# Altium PCB ife18_TS_BMS_LTC6813_v2.PcbDoc (part 1 of 3)
Units mm, origin at the board's own origin, x right, y up, seen from the top; angles counter-clockwise.
Board outline 384.85 x 63.15 mm, 4 copper layers (Top Copper, Signal Layer 1, Signal Layer 2, Bottom Copper), stack 1.57 mm thick; 242 components, 189 nets, 694 pads, 270 vias.
Unrouted connection lines stored in the file: 1.
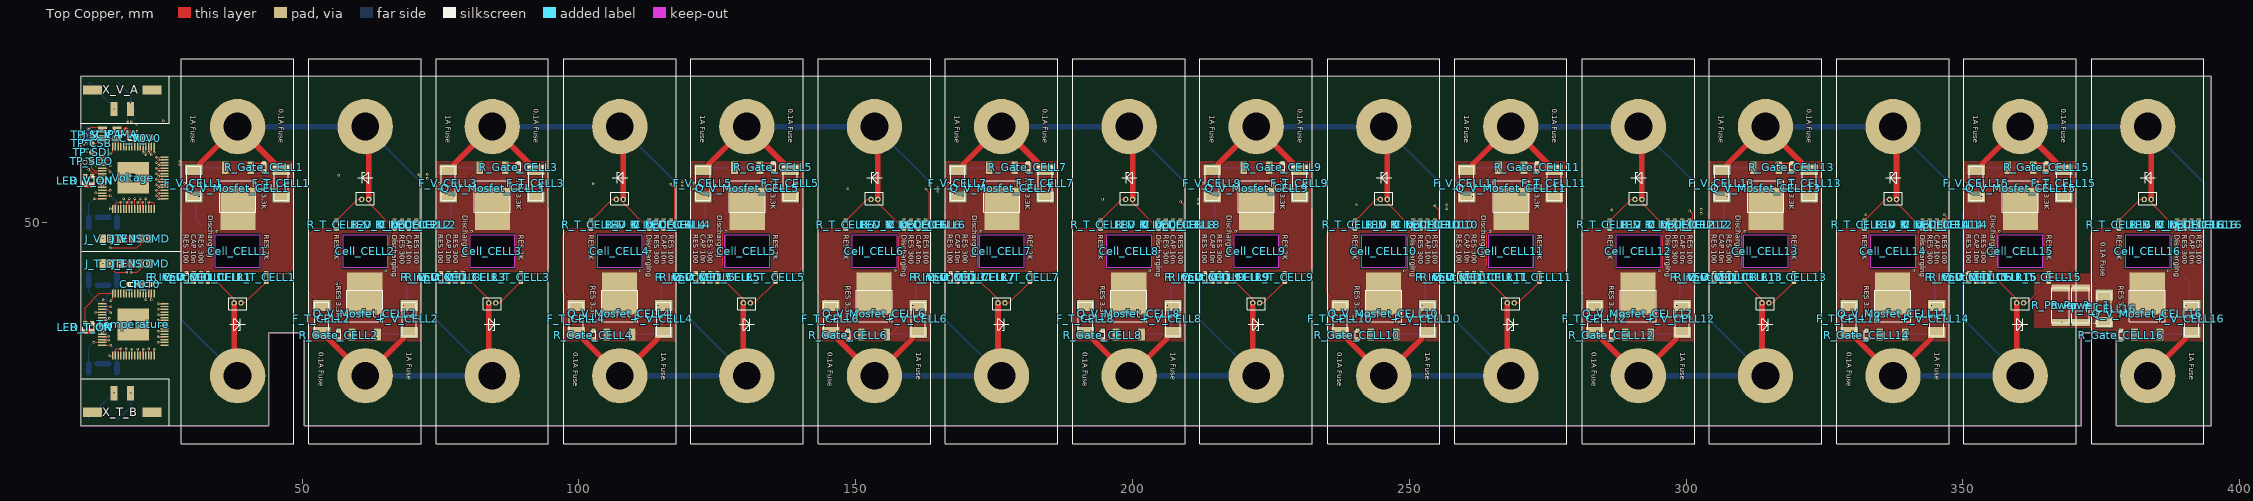
[diagram p0: Top Copper view]
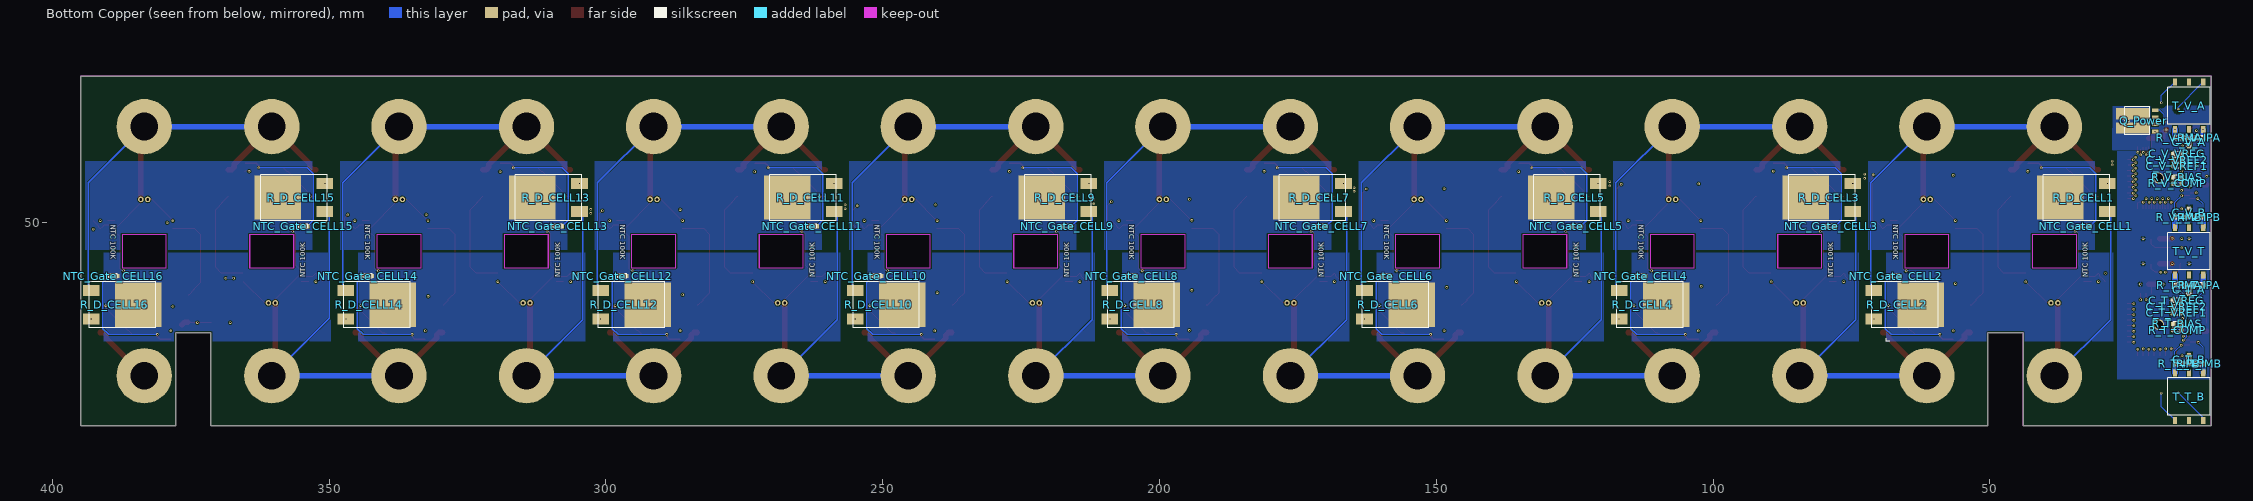
[diagram p1: Bottom Copper view, seen from below]
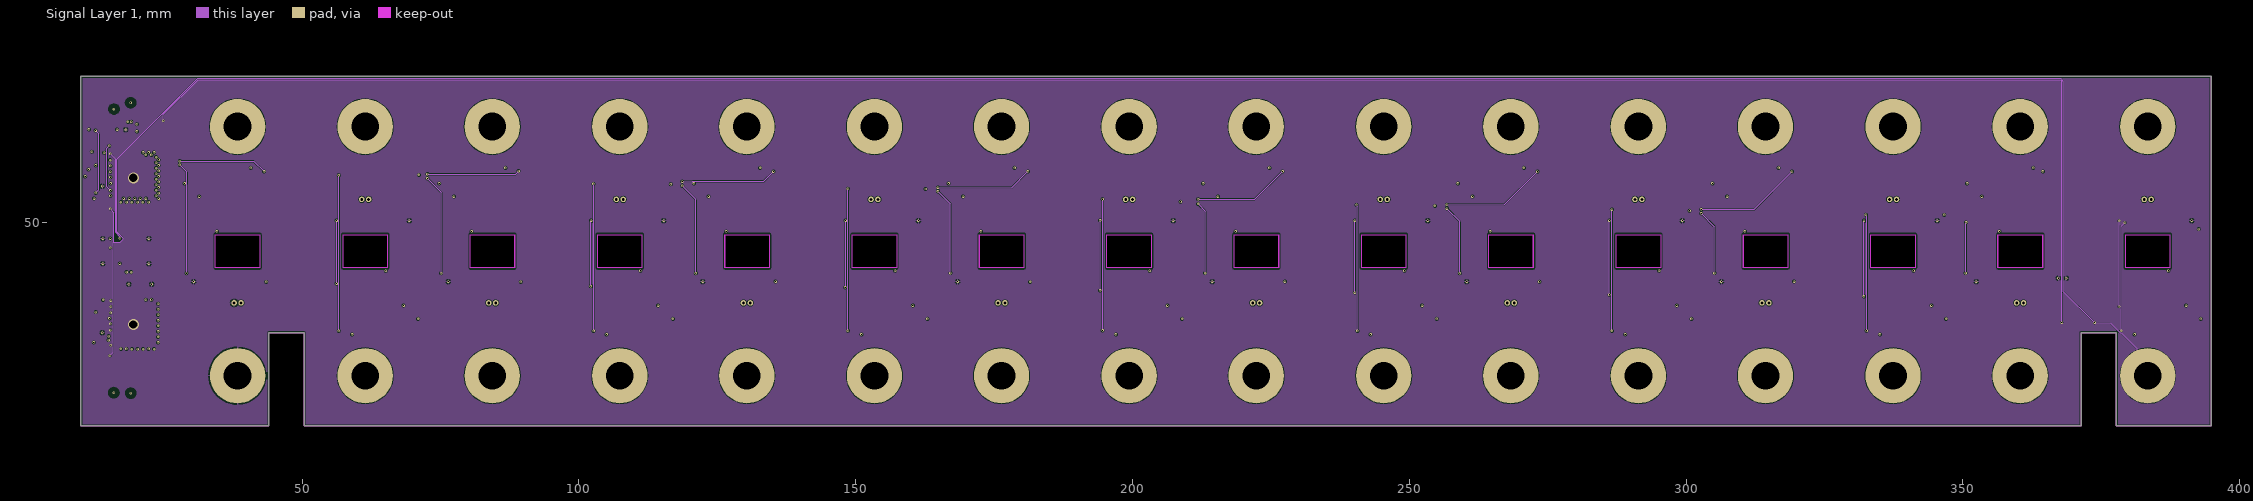
[diagram p2: Signal Layer 1]
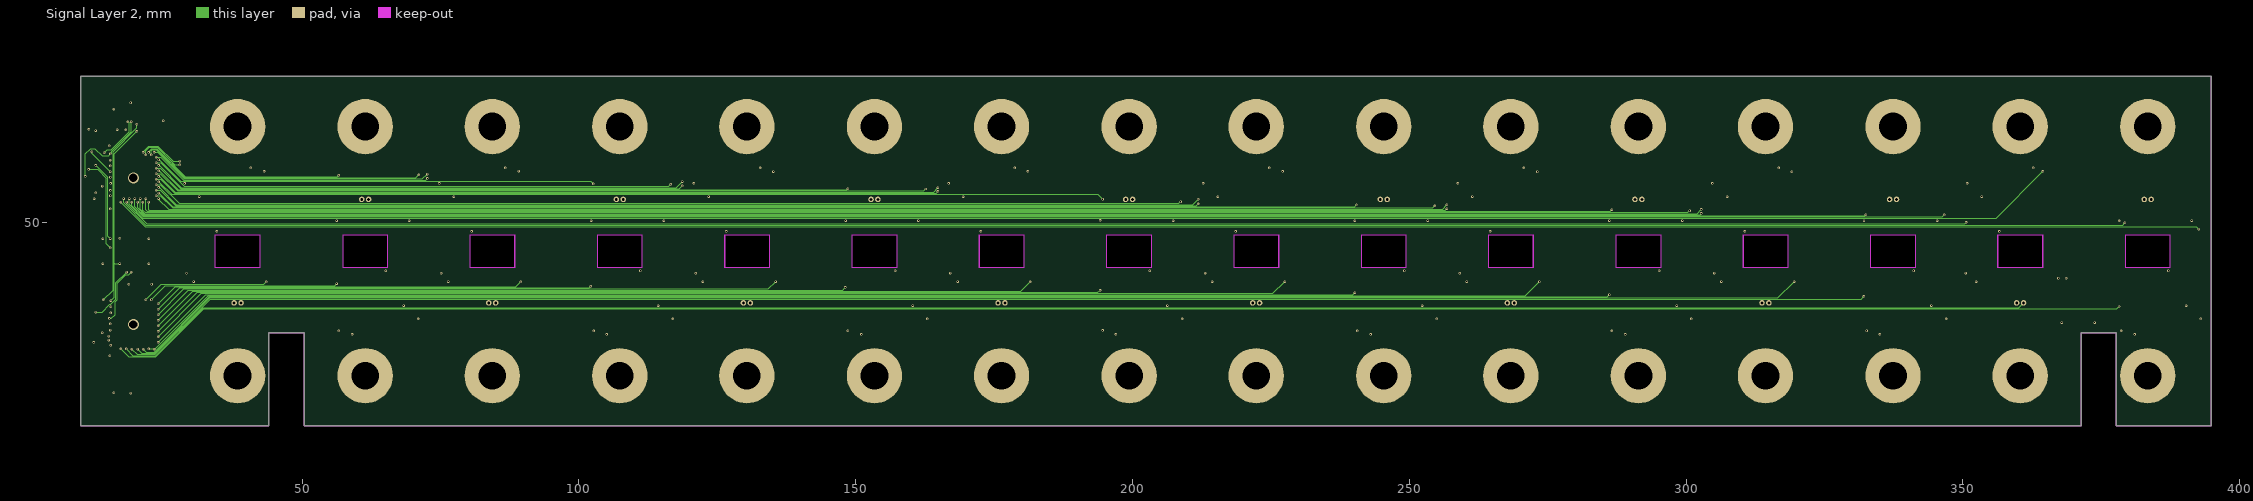
[diagram p3: Signal Layer 2]
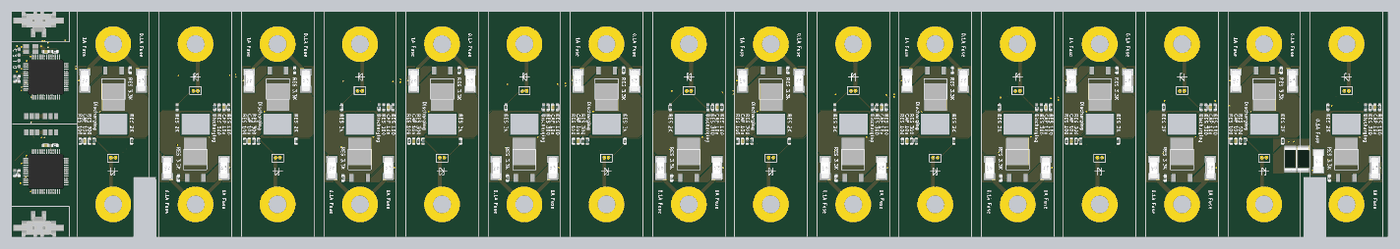
[diagram p6: 3D render of the assembled board from above, using the file's embedded part models]
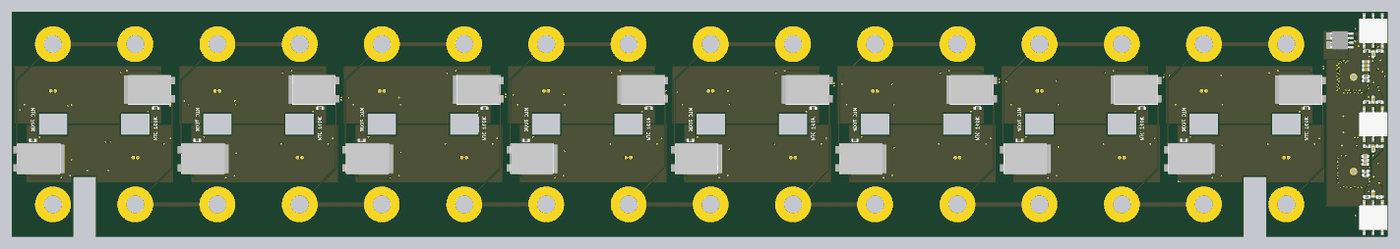
[diagram p7: 3D render of the assembled board from below, using the file's embedded part models]

## Layer stack, top to bottom
Top Mask: solder mask 0.015, Solder Resist, Dk 3.8
Top Copper: signal copper 0.035
Dielectric 1: prepreg 0.2, 7628, Dk 4.6
Signal Layer 1: signal copper 0.0175
Core: core 1.065, FR-4, Dk 4.5
Signal Layer 2: signal copper 0.0175
Dielectric 2: prepreg 0.2, 7628, Dk 4.6
Bottom Copper: signal copper 0.035
Bottom Mask: solder mask 0.015, Solder Resist, Dk 3.8

## Board outline
10,13.175 10,76.325 394.85,76.325 394.85,13.175 377.7,13.175 377.7,30 371.35,30 371.35,13.175 50.35,13.175 50.35,30 44,30 44,13.175

## Design rules (kind name [scope] priority, off if disabled: settings)
BoardOutlineClearance [All] p1: gap=0.25 ignorepadtopadclearanceinfootprint=FALSE
Clearance "Board Edge" [OnLayer('Keep-Out Layer')] p1: gap=0.25 ignorepadtopadclearanceinfootprint=TRUE
Clearance "ISO Clearance" [InNetClass('HV_ISO')] p2: gap=0.8 ignorepadtopadclearanceinfootprint=TRUE
Clearance "Internal Layers" [(OnLayer('Signal Layer 1') OR OnLayer('Signal Layer 2'))] p3: gap=0.102 ignorepadtopadclearanceinfootprint=TRUE
Clearance "External Layers" [(OnLayer('Bottom Copper') OR OnLayer('Top Copper'))] p4: gap=0.15 ignorepadtopadclearanceinfootprint=TRUE
ComponentClearance [All] p1: gap=0.254 collisioncheckmode=3 verticalgap=0 showdistances=FALSE
HoleSize [All] p1: absolutevalues=TRUE maxlimit=6.3 minlimit=0.2 maxpercent=80.000 minpercent=20.000
MinimumSolderMaskSliver [All] p1: minsoldermaskwidth=0.089
PolygonConnect "GND Plane" [HasFootprint('LQFP64_LWE_A')] p1: connectstyle=Direct reliefconductorwidth=0.254 reliefentries=4 polygonreliefangle="90 Angle" airgapwidth=0.254
PolygonConnect "Power BJT" [InNet('NetQ_Power_C')] p2: connectstyle=Direct reliefconductorwidth=0.254 reliefentries=4 polygonreliefangle="90 Angle" airgapwidth=0.254
PolygonConnect "Power Resistor" [HasFootprint('RES-2512')] p3: connectstyle=Direct reliefconductorwidth=0.254 reliefentries=4 polygonreliefangle="90 Angle" airgapwidth=0.254
PolygonConnect "Discharge Mosfet" [HasFootprint('TO252')] p4: connectstyle=Direct reliefconductorwidth=0.254 reliefentries=4 polygonreliefangle="90 Angle" airgapwidth=0.254
PolygonConnect "Discharge NTC" [HasFootprint('NTC-0603')] p5: connectstyle=Direct reliefconductorwidth=0.254 reliefentries=4 polygonreliefangle="90 Angle" airgapwidth=0.254
PolygonConnect "Discharge Resistor" [HasFootprint('TO252-TKH-45')] p6: connectstyle=Direct reliefconductorwidth=0.254 reliefentries=4 polygonreliefangle="90 Angle" airgapwidth=0.254
PolygonConnect [All] p7: connectstyle=Relief reliefconductorwidth=0.254 reliefentries=4 polygonreliefangle="90 Angle" airgapwidth=0.254
RoomDefinition Even [InComponentClass('Even')] p1: confinementstyle=ConfineIn formatcopy=TRUE lockcomponents=FALSE outline 394.85,9.5 394.85,80 9.5,80 9.5,9.5
RoomDefinition CELL16 [InComponentClass('CELL16')] p2: confinementstyle=ConfineIn formatcopy=TRUE lockcomponents=FALSE outline 394.85,80 371.85,80 371.85,9.5 394.85,9.5
RoomDefinition CELL15 [InComponentClass('CELL15')] p3: confinementstyle=ConfineIn formatcopy=TRUE lockcomponents=FALSE outline 348.85,9.5 371.85,9.5 371.85,80 348.85,80
RoomDefinition CELL14 [InComponentClass('CELL14')] p4: confinementstyle=ConfineIn formatcopy=TRUE lockcomponents=FALSE outline 348.85,80 325.85,80 325.85,9.5 348.85,9.5
RoomDefinition CELL13 [InComponentClass('CELL13')] p5: confinementstyle=ConfineIn formatcopy=TRUE lockcomponents=FALSE outline 302.85,9.5 325.85,9.5 325.85,80 302.85,80
RoomDefinition CELL12 [InComponentClass('CELL12')] p6: confinementstyle=ConfineIn formatcopy=TRUE lockcomponents=FALSE outline 302.85,80 279.85,80 279.85,9.5 302.85,9.5
RoomDefinition CELL11 [InComponentClass('CELL11')] p7: confinementstyle=ConfineIn formatcopy=TRUE lockcomponents=FALSE outline 256.85,9.5 279.85,9.5 279.85,80 256.85,80
RoomDefinition CELL10 [InComponentClass('CELL10')] p8: confinementstyle=ConfineIn formatcopy=TRUE lockcomponents=FALSE outline 256.85,80 233.85,80 233.85,9.5 256.85,9.5
RoomDefinition CELL9 [InComponentClass('CELL9')] p9: confinementstyle=ConfineIn formatcopy=TRUE lockcomponents=FALSE outline 210.85,9.5 233.85,9.5 233.85,80 210.85,80
RoomDefinition CELL8 [InComponentClass('CELL8')] p10: confinementstyle=ConfineIn formatcopy=TRUE lockcomponents=FALSE outline 210.85,80 187.85,80 187.85,9.5 210.85,9.5
RoomDefinition CELL7 [InComponentClass('CELL7')] p11: confinementstyle=ConfineIn formatcopy=TRUE lockcomponents=FALSE outline 164.85,9.5 187.85,9.5 187.85,80 164.85,80
RoomDefinition CELL6 [InComponentClass('CELL6')] p12: confinementstyle=ConfineIn formatcopy=TRUE lockcomponents=FALSE outline 164.85,80 141.85,80 141.85,9.5 164.85,9.5
RoomDefinition CELL5 [InComponentClass('CELL5')] p13: confinementstyle=ConfineIn formatcopy=TRUE lockcomponents=FALSE outline 118.85,9.5 141.85,9.5 141.85,80 118.85,80
RoomDefinition CELL4 [InComponentClass('CELL4')] p14: confinementstyle=ConfineIn formatcopy=TRUE lockcomponents=FALSE outline 118.85,80 95.85,80 95.85,9.5 118.85,9.5
RoomDefinition CELL3 [InComponentClass('CELL3')] p15: confinementstyle=ConfineIn formatcopy=TRUE lockcomponents=FALSE outline 72.85,9.5 95.85,9.5 95.85,80 72.85,80
RoomDefinition CELL2 [InComponentClass('CELL2')] p16: confinementstyle=ConfineIn formatcopy=TRUE lockcomponents=FALSE outline 72.85,80 49.85,80 49.85,9.5 72.85,9.5
RoomDefinition CELL1 [InComponentClass('CELL1')] p17: confinementstyle=ConfineIn formatcopy=TRUE lockcomponents=FALSE outline 26.85,9.5 49.85,9.5 49.85,80 26.85,80
RoutingVias [All] p1: holewidth=0.2 width=0.45 viastyle="Through Hole" minholewidth=0.2 minwidth=0.45 maxholewidth=6.3 maxwidth=10
SilkToSilkClearance [All] p1: silktosilkclearance=0
SilkToSolderMaskClearance [IsPad] p1: minsilkscreentomaskgap=0 clearancetoexposedcopper=TRUE
SolderMaskExpansion [All] p1: expansion=0.025
Width [All] p1: maxlimit=1.016 minlimit=0.102 preferedwidth=0.102
25 further rules are at their usual default settings.

## Classes and differential pairs
net class HV_ISO: T_IMB_ISO T_IPB_ISO V_IMA_ISO V_IPA_ISO
component class Even: C_T0 C_T_A C_T_B C_T_VREF1 C_T_VREF2 C_T_VREG C_V0 C_V_A C_V_B C_V_VREF1 C_V_VREF2 C_V_VREG J_T_DTEN J_T_ISOMD J_V_DTEN J_V_IMA J_V_IPA J_V_ISOMD LED_T_ON LED_V_ON Q_Power R_Power_1 R_Power_? R_T0 R_T_BIAS R_T_COMP R_T_IMA R_T_IMB R_T_IPA R_T_IPB R_T_ON R_V0 R_V_BIAS R_V_COMP R_V_IMA R_V_IMB R_V_IPA R_V_IPB R_V_ON T_T_B T_V_A T_V_T Temperature TP_CSB TP_SCK TP_SDI TP_SDO Voltage X_T_B X_V_A
channel class Cell: CELL1 CELL2 CELL3 CELL4 CELL5 CELL6 CELL7 CELL8 CELL9 CELL10 CELL11 CELL12 CELL13 CELL14 CELL15 CELL16
net class V[1..16]: V1 V2 V3 V4 V5 V6 V7 V8 V9 V10 V11 V12 V13 V14 V15 V16
net class T[1..16]: T1 T2 T3 T4 T5 T6 T7 T8 T9 T10 T11 T12 T13 T14 T15 T16
net class S[1..16]: S1 S2 S3 S4 S5 S6 S7 S8 S9 S10 S11 S12 S13 S14 S15 S16
net class NEG[1..16]: NEG1 NEG2 NEG3 NEG4 NEG5 NEG6 NEG7 NEG8 NEG9 NEG10 NEG11 NEG12 NEG13 NEG14 NEG15 NEG16
component class CELL16: C_V_CELL16 Cell_CELL16 F_T_CELL16 F_V_CELL16 LED_V_D_CELL16 NTC_Gate_CELL16 Q_V_Mosfet_CELL16 R_D_CELL16 R_Gate_CELL16 R_Input_CELL16 R_T_CELL16 R_V_D_LED_CELL16
component class CELL15: C_V_CELL15 Cell_CELL15 F_T_CELL15 F_V_CELL15 LED_V_D_CELL15 NTC_Gate_CELL15 Q_V_Mosfet_CELL15 R_D_CELL15 R_Gate_CELL15 R_Input_CELL15 R_T_CELL15 R_V_D_LED_CELL15
component class CELL14: C_V_CELL14 Cell_CELL14 F_T_CELL14 F_V_CELL14 LED_V_D_CELL14 NTC_Gate_CELL14 Q_V_Mosfet_CELL14 R_D_CELL14 R_Gate_CELL14 R_Input_CELL14 R_T_CELL14 R_V_D_LED_CELL14
component class CELL13: C_V_CELL13 Cell_CELL13 F_T_CELL13 F_V_CELL13 LED_V_D_CELL13 NTC_Gate_CELL13 Q_V_Mosfet_CELL13 R_D_CELL13 R_Gate_CELL13 R_Input_CELL13 R_T_CELL13 R_V_D_LED_CELL13
component class CELL12: C_V_CELL12 Cell_CELL12 F_T_CELL12 F_V_CELL12 LED_V_D_CELL12 NTC_Gate_CELL12 Q_V_Mosfet_CELL12 R_D_CELL12 R_Gate_CELL12 R_Input_CELL12 R_T_CELL12 R_V_D_LED_CELL12
component class CELL11: C_V_CELL11 Cell_CELL11 F_T_CELL11 F_V_CELL11 LED_V_D_CELL11 NTC_Gate_CELL11 Q_V_Mosfet_CELL11 R_D_CELL11 R_Gate_CELL11 R_Input_CELL11 R_T_CELL11 R_V_D_LED_CELL11
component class CELL10: C_V_CELL10 Cell_CELL10 F_T_CELL10 F_V_CELL10 LED_V_D_CELL10 NTC_Gate_CELL10 Q_V_Mosfet_CELL10 R_D_CELL10 R_Gate_CELL10 R_Input_CELL10 R_T_CELL10 R_V_D_LED_CELL10
component class CELL9: C_V_CELL9 Cell_CELL9 F_T_CELL9 F_V_CELL9 LED_V_D_CELL9 NTC_Gate_CELL9 Q_V_Mosfet_CELL9 R_D_CELL9 R_Gate_CELL9 R_Input_CELL9 R_T_CELL9 R_V_D_LED_CELL9
component class CELL8: C_V_CELL8 Cell_CELL8 F_T_CELL8 F_V_CELL8 LED_V_D_CELL8 NTC_Gate_CELL8 Q_V_Mosfet_CELL8 R_D_CELL8 R_Gate_CELL8 R_Input_CELL8 R_T_CELL8 R_V_D_LED_CELL8
component class CELL7: C_V_CELL7 Cell_CELL7 F_T_CELL7 F_V_CELL7 LED_V_D_CELL7 NTC_Gate_CELL7 Q_V_Mosfet_CELL7 R_D_CELL7 R_Gate_CELL7 R_Input_CELL7 R_T_CELL7 R_V_D_LED_CELL7
component class CELL6: C_V_CELL6 Cell_CELL6 F_T_CELL6 F_V_CELL6 LED_V_D_CELL6 NTC_Gate_CELL6 Q_V_Mosfet_CELL6 R_D_CELL6 R_Gate_CELL6 R_Input_CELL6 R_T_CELL6 R_V_D_LED_CELL6
component class CELL5: C_V_CELL5 Cell_CELL5 F_T_CELL5 F_V_CELL5 LED_V_D_CELL5 NTC_Gate_CELL5 Q_V_Mosfet_CELL5 R_D_CELL5 R_Gate_CELL5 R_Input_CELL5 R_T_CELL5 R_V_D_LED_CELL5
component class CELL4: C_V_CELL4 Cell_CELL4 F_T_CELL4 F_V_CELL4 LED_V_D_CELL4 NTC_Gate_CELL4 Q_V_Mosfet_CELL4 R_D_CELL4 R_Gate_CELL4 R_Input_CELL4 R_T_CELL4 R_V_D_LED_CELL4
component class CELL3: C_V_CELL3 Cell_CELL3 F_T_CELL3 F_V_CELL3 LED_V_D_CELL3 NTC_Gate_CELL3 Q_V_Mosfet_CELL3 R_D_CELL3 R_Gate_CELL3 R_Input_CELL3 R_T_CELL3 R_V_D_LED_CELL3
component class CELL2: C_V_CELL2 Cell_CELL2 F_T_CELL2 F_V_CELL2 LED_V_D_CELL2 NTC_Gate_CELL2 Q_V_Mosfet_CELL2 R_D_CELL2 R_Gate_CELL2 R_Input_CELL2 R_T_CELL2 R_V_D_LED_CELL2
component class CELL1: C_V_CELL1 Cell_CELL1 F_T_CELL1 F_V_CELL1 LED_V_D_CELL1 NTC_Gate_CELL1 Q_V_Mosfet_CELL1 R_D_CELL1 R_Gate_CELL1 R_Input_CELL1 R_T_CELL1 R_V_D_LED_CELL1

## Components (designator, comment, footprint, x,y, rotation, side; value= is the part's Value field where it differs from the comment)
C_T0 "CAP 10n" CAP-0603 19.45,38.775 r0 top
C_T_A "CAP 10n" CAP-0603 14,37.8 r90 bottom
C_T_B "CAP 10n" CAP-0603 14,25.175 r270 bottom
C_T_VREF1 "CAP 1u" CAP-0603 16.2,33.6 r180 bottom
C_T_VREF2 "CAP 1u" CAP-0603 16.2,34.7 r180 bottom
C_T_VREG "CAP 1u" CAP-0603 16.2,35.8 r180 bottom
C_V0 "CAP 10n" CAP-0603 19.5,65.175 r0 top
C_V_A "CAP 10n" CAP-0603 14,64.425 r90 bottom
C_V_B "CAP 10n" CAP-0603 14,51.7 r270 bottom
C_V_CELL1 "CAP 10n" CAP-0603 30.4,40 r90 top (schematic designator C_V)
C_V_CELL2 "CAP 10n" CAP-0603 69.3,49.5 r270 top (schematic designator C_V)
C_V_CELL3 "CAP 10n" CAP-0603 76.4,40 r90 top (schematic designator C_V)
C_V_CELL4 "CAP 10n" CAP-0603 115.3,49.5 r270 top (schematic designator C_V)
C_V_CELL5 "CAP 10n" CAP-0603 122.4,40 r90 top (schematic designator C_V)
C_V_CELL6 "CAP 10n" CAP-0603 161.3,49.5 r270 top (schematic designator C_V)
C_V_CELL7 "CAP 10n" CAP-0603 168.4,40 r90 top (schematic designator C_V)
C_V_CELL8 "CAP 10n" CAP-0603 207.3,49.5 r270 top (schematic designator C_V)
C_V_CELL9 "CAP 10n" CAP-0603 214.4,40 r90 top (schematic designator C_V)
C_V_CELL10 "CAP 10n" CAP-0603 253.3,49.5 r270 top (schematic designator C_V)
C_V_CELL11 "CAP 10n" CAP-0603 260.4,40 r90 top (schematic designator C_V)
C_V_CELL12 "CAP 10n" CAP-0603 299.3,49.5 r270 top (schematic designator C_V)
C_V_CELL13 "CAP 10n" CAP-0603 306.4,40 r90 top (schematic designator C_V)
C_V_CELL14 "CAP 10n" CAP-0603 345.3,49.5 r270 top (schematic designator C_V)
C_V_CELL15 "CAP 10n" CAP-0603 352.4,40 r90 top (schematic designator C_V)
C_V_CELL16 "CAP 10n" CAP-0603 391.3,49.5 r270 top (schematic designator C_V)
C_V_VREF1 "CAP 1u" CAP-0603 16.1,60.1 r180 bottom
C_V_VREF2 "CAP 1u" CAP-0603 16.1,61.2 r180 bottom
C_V_VREG "CAP 1u" CAP-0603 16.1,62.3 r180 bottom
Cell_CELL1 "Li1x7pVTC6T" Li1x7pVTC6T 28.175,10 r0 top (schematic designator Cell)
Cell_CELL2 "Li1x7pVTC6T" Li1x7pVTC6T 71.525,79.5 r180 top (schematic designator Cell)
Cell_CELL3 "Li1x7pVTC6T" Li1x7pVTC6T 74.175,10 r0 top (schematic designator Cell)
Cell_CELL4 "Li1x7pVTC6T" Li1x7pVTC6T 117.525,79.5 r180 top (schematic designator Cell)
Cell_CELL5 "Li1x7pVTC6T" Li1x7pVTC6T 120.175,10 r0 top (schematic designator Cell)
Cell_CELL6 "Li1x7pVTC6T" Li1x7pVTC6T 163.525,79.5 r180 top (schematic designator Cell)
Cell_CELL7 "Li1x7pVTC6T" Li1x7pVTC6T 166.175,10 r0 top (schematic designator Cell)
Cell_CELL8 "Li1x7pVTC6T" Li1x7pVTC6T 209.525,79.5 r180 top (schematic designator Cell)
Cell_CELL9 "Li1x7pVTC6T" Li1x7pVTC6T 212.175,10 r0 top (schematic designator Cell)
Cell_CELL10 "Li1x7pVTC6T" Li1x7pVTC6T 255.525,79.5 r180 top (schematic designator Cell)
Cell_CELL11 "Li1x7pVTC6T" Li1x7pVTC6T 258.175,10 r0 top (schematic designator Cell)
Cell_CELL12 "Li1x7pVTC6T" Li1x7pVTC6T 301.525,79.5 r180 top (schematic designator Cell)
Cell_CELL13 "Li1x7pVTC6T" Li1x7pVTC6T 304.175,10 r0 top (schematic designator Cell)
Cell_CELL14 "Li1x7pVTC6T" Li1x7pVTC6T 347.525,79.5 r180 top (schematic designator Cell)
Cell_CELL15 "Li1x7pVTC6T" Li1x7pVTC6T 350.175,10 r0 top (schematic designator Cell)
Cell_CELL16 "Li1x7pVTC6T" Li1x7pVTC6T 393.525,79.5 r180 top (schematic designator Cell)
F_T_CELL1 "0.1A Fuse" 2410SMD 46.2,57 r90 top (schematic designator F_T)
F_T_CELL2 "0.1A Fuse" 2410SMD 53.5,32.5 r270 top (schematic designator F_T)
F_T_CELL3 "0.1A Fuse" 2410SMD 92.2,57 r90 top (schematic designator F_T)
F_T_CELL4 "0.1A Fuse" 2410SMD 99.5,32.5 r270 top (schematic designator F_T)
F_T_CELL5 "0.1A Fuse" 2410SMD 138.2,57 r90 top (schematic designator F_T)
F_T_CELL6 "0.1A Fuse" 2410SMD 145.5,32.5 r270 top (schematic designator F_T)
F_T_CELL7 "0.1A Fuse" 2410SMD 184.2,57 r90 top (schematic designator F_T)
F_T_CELL8 "0.1A Fuse" 2410SMD 191.5,32.5 r270 top (schematic designator F_T)
F_T_CELL9 "0.1A Fuse" 2410SMD 230.2,57 r90 top (schematic designator F_T)
F_T_CELL10 "0.1A Fuse" 2410SMD 237.5,32.5 r270 top (schematic designator F_T)
F_T_CELL11 "0.1A Fuse" 2410SMD 276.2,57 r90 top (schematic designator F_T)
F_T_CELL12 "0.1A Fuse" 2410SMD 283.5,32.5 r270 top (schematic designator F_T)
F_T_CELL13 "0.1A Fuse" 2410SMD 322.2,57 r90 top (schematic designator F_T)
F_T_CELL14 "0.1A Fuse" 2410SMD 329.5,32.5 r270 top (schematic designator F_T)
F_T_CELL15 "0.1A Fuse" 2410SMD 368.2,57 r90 top (schematic designator F_T)
F_T_CELL16 "0.1A Fuse" 2410SMD 375.5,34.35 r270 top (schematic designator F_T)
F_V_CELL1 "1A Fuse" 2410SMD 30.4,57 r270 top (schematic designator F_V)
F_V_CELL2 "1A Fuse" 2410SMD 69.3,32.5 r90 top (schematic designator F_V)
F_V_CELL3 "1A Fuse" 2410SMD 76.4,57 r270 top (schematic designator F_V)
F_V_CELL4 "1A Fuse" 2410SMD 115.3,32.5 r90 top (schematic designator F_V)
F_V_CELL5 "1A Fuse" 2410SMD 122.4,57 r270 top (schematic designator F_V)
F_V_CELL6 "1A Fuse" 2410SMD 161.3,32.5 r90 top (schematic designator F_V)
F_V_CELL7 "1A Fuse" 2410SMD 168.4,57 r270 top (schematic designator F_V)
F_V_CELL8 "1A Fuse" 2410SMD 207.3,32.5 r90 top (schematic designator F_V)
F_V_CELL9 "1A Fuse" 2410SMD 214.4,57 r270 top (schematic designator F_V)
F_V_CELL10 "1A Fuse" 2410SMD 253.3,32.5 r90 top (schematic designator F_V)
F_V_CELL11 "1A Fuse" 2410SMD 260.4,57 r270 top (schematic designator F_V)
F_V_CELL12 "1A Fuse" 2410SMD 299.3,32.5 r90 top (schematic designator F_V)
F_V_CELL13 "1A Fuse" 2410SMD 306.4,57 r270 top (schematic designator F_V)
F_V_CELL14 "1A Fuse" 2410SMD 345.3,32.5 r90 top (schematic designator F_V)
F_V_CELL15 "1A Fuse" 2410SMD 352.4,57 r270 top (schematic designator F_V)
F_V_CELL16 "1A Fuse" 2410SMD 391.3,32.5 r90 top (schematic designator F_V)
J_T_DTEN "" SJ_2 15.524,42.5 r180 top
J_T_ISOMD "" SJ_2 20.8,42.5 r0 top
J_V_DTEN "" SJ_2 15.524,47 r180 top
J_V_IMA "JUMPER" SJ 16.575,65.9 r270 top
J_V_IPA "JUMPER" SJ 13.95,65.9 r270 top
J_V_ISOMD "" SJ_2 20.8,47 r0 top
LED_T_ON "T_ON" LED-0603 10.8,31 r270 top
LED_V_D_CELL1 "Discharging" LED-0603 33,40 r90 top (schematic designator LED_V_D)
LED_V_D_CELL2 "Discharging" LED-0603 66.7,49.5 r270 top (schematic designator LED_V_D)
LED_V_D_CELL3 "Discharging" LED-0603 79,40 r90 top (schematic designator LED_V_D)
LED_V_D_CELL4 "Discharging" LED-0603 112.7,49.5 r270 top (schematic designator LED_V_D)
LED_V_D_CELL5 "Discharging" LED-0603 125,40 r90 top (schematic designator LED_V_D)
LED_V_D_CELL6 "Discharging" LED-0603 158.7,49.5 r270 top (schematic designator LED_V_D)
LED_V_D_CELL7 "Discharging" LED-0603 171,40 r90 top (schematic designator LED_V_D)
LED_V_D_CELL8 "Discharging" LED-0603 204.7,49.5 r270 top (schematic designator LED_V_D)
LED_V_D_CELL9 "Discharging" LED-0603 217,40 r90 top (schematic designator LED_V_D)
LED_V_D_CELL10 "Discharging" LED-0603 250.7,49.5 r270 top (schematic designator LED_V_D)
LED_V_D_CELL11 "Discharging" LED-0603 263,40 r90 top (schematic designator LED_V_D)
LED_V_D_CELL12 "Discharging" LED-0603 296.7,49.5 r270 top (schematic designator LED_V_D)
LED_V_D_CELL13 "Discharging" LED-0603 309,40 r90 top (schematic designator LED_V_D)
LED_V_D_CELL14 "Discharging" LED-0603 342.7,49.5 r270 top (schematic designator LED_V_D)
LED_V_D_CELL15 "Discharging" LED-0603 355,40 r90 top (schematic designator LED_V_D)
LED_V_D_CELL16 "Discharging" LED-0603 388.7,49.5 r270 top (schematic designator LED_V_D)
LED_V_ON "ON" LED-0603 10.8,57.5 r270 top
NTC_Gate_CELL1 "NTC 100K" NTC-0603 32.675,49.25 r0 bottom (schematic designator NTC_Gate)
NTC_Gate_CELL2 "NTC 100K" NTC-0603 67.025,40.25 r180 bottom (schematic designator NTC_Gate)
NTC_Gate_CELL3 "NTC 100K" NTC-0603 78.675,49.25 r0 bottom (schematic designator NTC_Gate)
NTC_Gate_CELL4 "NTC 100K" NTC-0603 113.025,40.25 r180 bottom (schematic designator NTC_Gate)
NTC_Gate_CELL5 "NTC 100K" NTC-0603 124.675,49.25 r0 bottom (schematic designator NTC_Gate)
NTC_Gate_CELL6 "NTC 100K" NTC-0603 159.025,40.25 r180 bottom (schematic designator NTC_Gate)
NTC_Gate_CELL7 "NTC 100K" NTC-0603 170.675,49.25 r0 bottom (schematic designator NTC_Gate)
NTC_Gate_CELL8 "NTC 100K" NTC-0603 205.025,40.25 r180 bottom (schematic designator NTC_Gate)
NTC_Gate_CELL9 "NTC 100K" NTC-0603 216.675,49.25 r0 bottom (schematic designator NTC_Gate)
NTC_Gate_CELL10 "NTC 100K" NTC-0603 251.025,40.25 r180 bottom (schematic designator NTC_Gate)
NTC_Gate_CELL11 "NTC 100K" NTC-0603 262.675,49.25 r0 bottom (schematic designator NTC_Gate)
NTC_Gate_CELL12 "NTC 100K" NTC-0603 297.025,40.25 r180 bottom (schematic designator NTC_Gate)
NTC_Gate_CELL13 "NTC 100K" NTC-0603 308.675,49.25 r0 bottom (schematic designator NTC_Gate)
NTC_Gate_CELL14 "NTC 100K" NTC-0603 343.025,40.25 r180 bottom (schematic designator NTC_Gate)
NTC_Gate_CELL15 "NTC 100K" NTC-0603 354.675,49.25 r0 bottom (schematic designator NTC_Gate)
NTC_Gate_CELL16 "NTC 100K" NTC-0603 389.025,40.25 r180 bottom (schematic designator NTC_Gate)
Q_Power "" LFPAK56D 23.3,68.3 r90 bottom
Q_V_Mosfet_CELL1 "" TO252 38.421,52.391 r180 top (schematic designator Q_V_Mosfet)
Q_V_Mosfet_CELL2 "" TO252 61.279,37.109 r0 top (schematic designator Q_V_Mosfet)
Q_V_Mosfet_CELL3 "" TO252 84.421,52.391 r180 top (schematic designator Q_V_Mosfet)
Q_V_Mosfet_CELL4 "" TO252 107.279,37.109 r0 top (schematic designator Q_V_Mosfet)
Q_V_Mosfet_CELL5 "" TO252 130.421,52.391 r180 top (schematic designator Q_V_Mosfet)
Q_V_Mosfet_CELL6 "" TO252 153.279,37.109 r0 top (schematic designator Q_V_Mosfet)
Q_V_Mosfet_CELL7 "" TO252 176.421,52.391 r180 top (schematic designator Q_V_Mosfet)
Q_V_Mosfet_CELL8 "" TO252 199.279,37.109 r0 top (schematic designator Q_V_Mosfet)
Q_V_Mosfet_CELL9 "" TO252 222.421,52.391 r180 top (schematic designator Q_V_Mosfet)
Q_V_Mosfet_CELL10 "" TO252 245.279,37.109 r0 top (schematic designator Q_V_Mosfet)
Q_V_Mosfet_CELL11 "" TO252 268.421,52.391 r180 top (schematic designator Q_V_Mosfet)
Q_V_Mosfet_CELL12 "" TO252 291.279,37.109 r0 top (schematic designator Q_V_Mosfet)
Q_V_Mosfet_CELL13 "" TO252 314.421,52.391 r180 top (schematic designator Q_V_Mosfet)
Q_V_Mosfet_CELL14 "" TO252 337.279,37.109 r0 top (schematic designator Q_V_Mosfet)
Q_V_Mosfet_CELL15 "" TO252 360.421,52.391 r180 top (schematic designator Q_V_Mosfet)
Q_V_Mosfet_CELL16 "" TO252 383.279,37.109 r0 top (schematic designator Q_V_Mosfet)
R_D_CELL1 "RES 5" TO252-TKH-45 41.25,54.425 r90 bottom (schematic designator R_D)
R_D_CELL2 "RES 5" TO252-TKH-45 58.45,35.075 r270 bottom (schematic designator R_D)
R_D_CELL3 "RES 5" TO252-TKH-45 87.25,54.425 r90 bottom (schematic designator R_D)
R_D_CELL4 "RES 5" TO252-TKH-45 104.45,35.075 r270 bottom (schematic designator R_D)
R_D_CELL5 "RES 5" TO252-TKH-45 133.25,54.425 r90 bottom (schematic designator R_D)
R_D_CELL6 "RES 5" TO252-TKH-45 150.45,35.075 r270 bottom (schematic designator R_D)
R_D_CELL7 "RES 5" TO252-TKH-45 179.25,54.425 r90 bottom (schematic designator R_D)
R_D_CELL8 "RES 5" TO252-TKH-45 196.45,35.075 r270 bottom (schematic designator R_D)
R_D_CELL9 "RES 5" TO252-TKH-45 225.25,54.425 r90 bottom (schematic designator R_D)
R_D_CELL10 "RES 5" TO252-TKH-45 242.45,35.075 r270 bottom (schematic designator R_D)
R_D_CELL11 "RES 5" TO252-TKH-45 271.25,54.425 r90 bottom (schematic designator R_D)
R_D_CELL12 "RES 5" TO252-TKH-45 288.45,35.075 r270 bottom (schematic designator R_D)
R_D_CELL13 "RES 5" TO252-TKH-45 317.25,54.425 r90 bottom (schematic designator R_D)
R_D_CELL14 "RES 5" TO252-TKH-45 334.45,35.075 r270 bottom (schematic designator R_D)
R_D_CELL15 "RES 5" TO252-TKH-45 363.25,54.425 r90 bottom (schematic designator R_D)
R_D_CELL16 "RES 5" TO252-TKH-45 380.45,35.075 r270 bottom (schematic designator R_D)
R_Gate_CELL1 "RES 3.3K" RES-0603 43.1,59.9 r270 top (schematic designator R_Gate)
R_Gate_CELL2 "RES 3.3K" RES-0603 56.6,29.6 r90 top (schematic designator R_Gate)
R_Gate_CELL3 "RES 3.3K" RES-0603 89.1,59.9 r270 top (schematic designator R_Gate)
R_Gate_CELL4 "RES 3.3K" RES-0603 102.6,29.6 r90 top (schematic designator R_Gate)
R_Gate_CELL5 "RES 3.3K" RES-0603 135.1,59.9 r270 top (schematic designator R_Gate)
R_Gate_CELL6 "RES 3.3K" RES-0603 148.6,29.6 r90 top (schematic designator R_Gate)
R_Gate_CELL7 "RES 3.3K" RES-0603 181.1,59.9 r270 top (schematic designator R_Gate)
R_Gate_CELL8 "RES 3.3K" RES-0603 194.6,29.6 r90 top (schematic designator R_Gate)
R_Gate_CELL9 "RES 3.3K" RES-0603 227.1,59.9 r270 top (schematic designator R_Gate)
R_Gate_CELL10 "RES 3.3K" RES-0603 240.6,29.6 r90 top (schematic designator R_Gate)
R_Gate_CELL11 "RES 3.3K" RES-0603 273.1,59.9 r270 top (schematic designator R_Gate)
R_Gate_CELL12 "RES 3.3K" RES-0603 286.6,29.6 r90 top (schematic designator R_Gate)
R_Gate_CELL13 "RES 3.3K" RES-0603 319.1,59.9 r270 top (schematic designator R_Gate)
R_Gate_CELL14 "RES 3.3K" RES-0603 332.6,29.6 r90 top (schematic designator R_Gate)
R_Gate_CELL15 "RES 3.3K" RES-0603 365.1,59.9 r270 top (schematic designator R_Gate)
R_Gate_CELL16 "RES 3.3K" RES-0603 378.6,29.6 r90 top (schematic designator R_Gate)
R_Input_CELL1 "RES 100" RES-0603 29.1,40 r90 top (schematic designator R_Input)
R_Input_CELL2 "RES 100" RES-0603 70.6,49.5 r270 top (schematic designator R_Input)
R_Input_CELL3 "RES 100" RES-0603 75.1,40 r90 top (schematic designator R_Input)
R_Input_CELL4 "RES 100" RES-0603 116.6,49.5 r270 top (schematic designator R_Input)
R_Input_CELL5 "RES 100" RES-0603 121.1,40 r90 top (schematic designator R_Input)
R_Input_CELL6 "RES 100" RES-0603 162.6,49.5 r270 top (schematic designator R_Input)
R_Input_CELL7 "RES 100" RES-0603 167.1,40 r90 top (schematic designator R_Input)
R_Input_CELL8 "RES 100" RES-0603 208.6,49.5 r270 top (schematic designator R_Input)
R_Input_CELL9 "RES 100" RES-0603 213.1,40 r90 top (schematic designator R_Input)
R_Input_CELL10 "RES 100" RES-0603 254.6,49.5 r270 top (schematic designator R_Input)
R_Input_CELL11 "RES 100" RES-0603 259.1,40 r90 top (schematic designator R_Input)
R_Input_CELL12 "RES 100" RES-0603 300.6,49.5 r270 top (schematic designator R_Input)
R_Input_CELL13 "RES 100" RES-0603 305.1,40 r90 top (schematic designator R_Input)
R_Input_CELL14 "RES 100" RES-0603 346.6,49.5 r270 top (schematic designator R_Input)
R_Input_CELL15 "RES 100" RES-0603 351.1,40 r90 top (schematic designator R_Input)
R_Input_CELL16 "RES 100" RES-0603 392.6,49.5 r270 top (schematic designator R_Input)
R_Power_1 "RES 250" RES-2512 371.25,34.975 r90 top
R_Power_? "RES 250" RES-2512 367.65,34.975 r270 top
R_T0 "RES 100" RES-0603 22.05,38.775 r180 top
R_T_BIAS "RES 1K" RES-0603 16.1,31.6 r180 bottom
R_T_CELL1 "RES 2K" RES-0603 43.5,40 r90 top (schematic designator R_T)
R_T_CELL2 "RES 2K" RES-0603 56.2,49.5 r270 top (schematic designator R_T)
R_T_CELL3 "RES 2K" RES-0603 89.5,40 r90 top (schematic designator R_T)
R_T_CELL4 "RES 2K" RES-0603 102.2,49.5 r270 top (schematic designator R_T)
R_T_CELL5 "RES 2K" RES-0603 135.5,40 r90 top (schematic designator R_T)
R_T_CELL6 "RES 2K" RES-0603 148.2,49.5 r270 top (schematic designator R_T)
R_T_CELL7 "RES 2K" RES-0603 181.5,40 r90 top (schematic designator R_T)
R_T_CELL8 "RES 2K" RES-0603 194.2,49.5 r270 top (schematic designator R_T)
R_T_CELL9 "RES 2K" RES-0603 227.5,40 r90 top (schematic designator R_T)
R_T_CELL10 "RES 2K" RES-0603 240.2,49.5 r270 top (schematic designator R_T)
R_T_CELL11 "RES 2K" RES-0603 273.5,40 r90 top (schematic designator R_T)
R_T_CELL12 "RES 2K" RES-0603 286.2,49.5 r270 top (schematic designator R_T)
R_T_CELL13 "RES 2K" RES-0603 319.5,40 r90 top (schematic designator R_T)
R_T_CELL14 "RES 2K" RES-0603 332.2,49.5 r270 top (schematic designator R_T)
R_T_CELL15 "RES 2K" RES-0603 365.5,40 r90 top (schematic designator R_T)
R_T_CELL16 "RES 2K" RES-0603 378.2,49.5 r270 top (schematic designator R_T)
R_T_COMP "RES 1K" RES-0603 16.1,30.5 r180 bottom
R_T_IMA "RES 50" RES-0603 15.8,38.6 r0 bottom
R_T_IMB "RES 50" RES-0603 12.2,24.375 r180 bottom
R_T_IPA "RES 50" RES-0603 12.2,38.6 r180 bottom
R_T_IPB "RES 50" RES-0603 15.8,24.375 r0 bottom
R_T_ON "RES 500" RES-0603 12,31 r270 top
R_V0 "RES 100" RES-0603 22.05,65.175 r180 top
R_V_BIAS "RES 1K" RES-0603 16.1,58.1 r180 bottom
R_V_COMP "RES 1K" RES-0603 16.1,56.975 r180 bottom
R_V_D_LED_CELL1 "RES 300" RES-0603 31.7,40 r270 top (schematic designator R_V_D_LED)
R_V_D_LED_CELL2 "RES 300" RES-0603 68,49.5 r90 top (schematic designator R_V_D_LED)
R_V_D_LED_CELL3 "RES 300" RES-0603 77.7,40 r270 top (schematic designator R_V_D_LED)
R_V_D_LED_CELL4 "RES 300" RES-0603 114,49.5 r90 top (schematic designator R_V_D_LED)
R_V_D_LED_CELL5 "RES 300" RES-0603 123.7,40 r270 top (schematic designator R_V_D_LED)
R_V_D_LED_CELL6 "RES 300" RES-0603 160,49.5 r90 top (schematic designator R_V_D_LED)
R_V_D_LED_CELL7 "RES 300" RES-0603 169.7,40 r270 top (schematic designator R_V_D_LED)
R_V_D_LED_CELL8 "RES 300" RES-0603 206,49.5 r90 top (schematic designator R_V_D_LED)
R_V_D_LED_CELL9 "RES 300" RES-0603 215.7,40 r270 top (schematic designator R_V_D_LED)
R_V_D_LED_CELL10 "RES 300" RES-0603 252,49.5 r90 top (schematic designator R_V_D_LED)
R_V_D_LED_CELL11 "RES 300" RES-0603 261.7,40 r270 top (schematic designator R_V_D_LED)
R_V_D_LED_CELL12 "RES 300" RES-0603 298,49.5 r90 top (schematic designator R_V_D_LED)
R_V_D_LED_CELL13 "RES 300" RES-0603 307.7,40 r270 top (schematic designator R_V_D_LED)
R_V_D_LED_CELL14 "RES 300" RES-0603 344,49.5 r90 top (schematic designator R_V_D_LED)
R_V_D_LED_CELL15 "RES 300" RES-0603 353.7,40 r270 top (schematic designator R_V_D_LED)
R_V_D_LED_CELL16 "RES 300" RES-0603 390,49.5 r90 top (schematic designator R_V_D_LED)
R_V_IMA "RES 50" RES-0603 15.8,65.225 r0 bottom
R_V_IMB "RES 50" RES-0603 15.8,50.9 r0 bottom
R_V_IPA "RES 50" RES-0603 12.2,65.225 r180 bottom
R_V_IPB "RES 50" RES-0603 12.2,50.9 r180 bottom
R_V_ON "RES 500" RES-0603 12,57.5 r270 top
T_T_B "HM2101NL" HM2101 14,18.475 r180 bottom
T_V_A "HM2101NL" HM2101 14,71.025 r0 bottom
T_V_T "HM2101NL" HM2101 14,44.75 r0 bottom
Temperature "LTC6813HLWE-1" LQFP64_LWE_A 19.5,31.5 r90 top
TP_CSB "S" Testpoint#1 5.199,69.371 r180 top
TP_SCK "C" Testpoint#2 5.199,58.945 r180 top
TP_SDI "I" Testpoint#3 10.875,61.6 r180 top
TP_SDO "O" Testpoint#4 5.199,48.545 r180 top
Voltage "LTC6813HLWE-1" LQFP64_LWE_A 19.5,58 r90 top
X_T_B "Molex - Micro-Fit 3.0 Series connector,  3.00mm (0.118\") pitch header, 2 positions." 43650-0224 17.5,15.65 r0 top
X_V_A "Molex - Micro-Fit 3.0 Series connector,  3.00mm (0.118\") pitch header, 2 positions." 43650-0224 17.5,73.85 r180 top

## Footprints (in the part's own frame and the unit in brackets; to place one, negate y for a bottom-side part, rotate by r counter-clockwise, add the part's x,y. Pads: shape width x height; smd on the part's side, far side on the other; paste and mask are expansions set on the pad)
2410SMD [mm]
  rect 1.96x3.15 smd: 1(2.455,0) 2(-2.455,0)
  silkscreen extent -3.05,-1.27 3.05,1.27, body extent -3.05,-1.27 3.05,1.27, height 2.58
43650-0224 [mm]
  rect 1.27x2.54 smd: P$1(1.5,3.43) P$2(-1.5,3.43)
  rect 3.43x1.65 smd: TAB1(5.39,0) TAB2(-5.39,0)
  body extent -6.82,-2.47 6.83,4.1, height 9.95
CAP-0603 [mm]
  rect 0.8x0.75 smd: 1(-0.75,0) 2(0.75,0)
  silkscreen extent -0.8,-0.4 0.8,0.4, body extent -0.8,-0.4 0.8,0.42, height 0.81
HM2101 [mm]
  rect 0.76x1.27 smd: 1(-2.54,-4.3) 2(0,-4.3) 3(2.54,-4.3) 4(2.54,4.3) 5(0,4.3) 6(-2.54,4.3)
  silkscreen extent -3.81,-3.36 3.81,3.36, body extent -3.81,-4.45 3.81,4.44, height 5.71
LED-0603 [mm]
  rect 0.8x0.75 smd: A(-0.75,0) K(0.75,0)
  silkscreen extent 0,-0.4 0.8,0.4, body extent -0.8,-0.4 0.8,0.4, height 0.53
LFPAK56D [mm]
  rect 0.7x1.2 smd: B1(-0.635,-3.175) B2(1.905,-3.175) E1(-1.905,-3.175) E2(0.635,-3.175)
  rect 2x6 smd: C(-1.27,0.9) C(1.27,0.9)
  silkscreen extent -2.5,-2.2 2.5,2.3, body extent -2.55,-3.45 2.55,2.71, height 1.06
Li1x7pVTC6T [mm]
  round 10 hole 5: +(10.15,57.25) -(10.15,12.25)
  round 1 hole 0.5: T+(10.775,25.4) T-(9.525,25.4)
  Keep-Out Layer board cut-out: 6.15,37.75 14.15,37.75 14.15,31.75 6.15,31.75
  silkscreen extent 0,0 20.3,69.5, body extent 0,0 20.3,69.5
LQFP64_LWE_A [mm]
  rect 1.461x0.27 smd: 1(-5.625,3.75) 2(-5.625,3.25) 3(-5.625,2.75) 4(-5.625,2.25) 5(-5.625,1.75) 6(-5.625,1.25) 7(-5.625,0.75) 8(-5.625,0.25) 9(-5.625,-0.25) 10(-5.625,-0.75) 11(-5.625,-1.25) 12(-5.625,-1.75) 13(-5.625,-2.25) 14(-5.625,-2.75) 15(-5.625,-3.25) 16(-5.625,-3.75) 33(5.625,-3.75) 34(5.625,-3.25) 35(5.625,-2.75) 36(5.625,-2.25) 37(5.625,-1.75) 38(5.625,-1.25) 39(5.625,-0.75) 40(5.625,-0.25) 41(5.625,0.25) 42(5.625,0.75) 43(5.625,1.25) 44(5.625,1.75) 45(5.625,2.25) 46(5.625,2.75) 47(5.625,3.25) 48(5.625,3.75)
  rect 0.27x1.461 smd: 17(-3.75,-5.625) 18(-3.25,-5.625) 19(-2.75,-5.625) 20(-2.25,-5.625) 21(-1.75,-5.625) 22(-1.25,-5.625) 23(-0.75,-5.625) 24(-0.25,-5.625) 25(0.25,-5.625) 26(0.75,-5.625) 27(1.25,-5.625) 28(1.75,-5.625) 29(2.25,-5.625) 30(2.75,-5.625) 31(3.25,-5.625) 32(3.75,-5.625) 49(3.75,5.625) 50(3.25,5.625) 51(2.75,5.625) 52(2.25,5.625) 53(1.75,5.625) 54(1.25,5.625) 55(0.75,5.625) 56(0.25,5.625) 57(-0.25,5.625) 58(-0.75,5.625) 59(-1.25,5.625) 60(-1.75,5.625) 61(-2.25,5.625) 62(-2.75,5.625) 63(-3.25,5.625) 64(-3.75,5.625)
  rect 5.74x5.74 smd paste+0: 65(0,0)
  body extent -6.07,-6.07 6.07,6.07, height 1.6
NTC-0603 [mm]
  rect 0.8x0.75 smd: 1(-0.75,0) 2(0.75,0)
  silkscreen extent -0.8,-0.4 0.8,0.4, body extent -0.8,-0.4 0.8,0.42, height 0.81
RES-0603 [mm]
  rect 0.8x0.75 smd: 1(-0.75,0) 2(0.75,0)
  silkscreen extent -0.8,-0.4 0.8,0.4, body extent -0.8,-0.4 0.8,0.4, height 0.44
RES-2512 [mm]
  rect 1.25x3.35 smd: 1(3.125,0) 2(-3.125,0)
  silkscreen extent -3.15,-1.58 3.15,1.58, body extent -3.15,-1.55 3.15,1.55, height 0.55
SJ [mil]
  rect 46x63 smd: 1(-30,0) 2(30,0)
SJ_2 [mil]
  rect 46x63 smd: 1(-60,0) 2(0,0) 3(60,0)
Testpoint#1 [mm]
  round 1 smd: 1(-6.801,5.171)
Testpoint#2 [mm]
  round 1 smd: 1(-6.801,-6.855)
Testpoint#3 [mm]
  round 1 smd: 1(-1.125,-1)
Testpoint#4 [mm]
  round 1 smd: 1(-6.801,-12.455)
TO252 [mm]
  rect 1.2x2.2 smd: 1(-2.279,-7.409) 3(2.321,-7.409)
  rect 6.35x7.62 smd: 2(0.021,-0.009)
  silkscreen extent -3.2,-5.1 3.3,0.6, body extent -3.22,-7.29 3.28,1.41, height 2.3
TO252-TKH-45 [mm]
  rect 2x3 smd: 1(-2.55,-12.5) 2(2.55,-12.5)
  rect 8x8.4 smd: 3(0,-4)
  silkscreen extent -4.15,-12.9 4.15,-0.9, body extent -4.15,-12.91 4.15,-0.91, height 0.89

## Part data
C_T0 C_T_A C_T_B C_T_VREF1 C_T_VREF2 C_T_VREG C_V0 C_V_A C_V_B C_V_CELL1 C_V_CELL2 C_V_CELL3 C_V_CELL4 C_V_CELL5 C_V_CELL6 C_V_CELL7 C_V_CELL8 C_V_CELL9 C_V_CELL10 C_V_CELL11 C_V_CELL12 C_V_CELL13 C_V_CELL14 C_V_CELL15 C_V_CELL16 C_V_VREF1 C_V_VREF2 C_V_VREG: library part CAP-0603, "CAP-0603"
F_T_CELL1 F_T_CELL2 F_T_CELL3 F_T_CELL4 F_T_CELL5 F_T_CELL6 F_T_CELL7 F_T_CELL8 F_T_CELL9 F_T_CELL10 F_T_CELL11 F_T_CELL12 F_T_CELL13 F_T_CELL14 F_T_CELL15 F_T_CELL16 F_V_CELL1 F_V_CELL2 F_V_CELL3 F_V_CELL4 F_V_CELL5 F_V_CELL6 F_V_CELL7 F_V_CELL8 F_V_CELL9 F_V_CELL10 F_V_CELL11 F_V_CELL12 F_V_CELL13 F_V_CELL14 F_V_CELL15 F_V_CELL16: library part 0679L, "0679L"
J_T_DTEN J_T_ISOMD J_V_DTEN J_V_ISOMD: library part JUMPER_2W, "JUMPER_2W", Package=SJ_2, DeviceSetName=JUMPER_2W, GateName_1=G$1, LibraryName=IFE_Jumpers, SymbolName_1=SJ_2
J_V_IMA J_V_IPA: Package=SJ, DeviceSetName=JUMPER, GateName_1=G$1, LibraryName=IFE_Jumpers, SymbolName_1=SJ
LED_T_ON LED_V_D_CELL1 LED_V_D_CELL2 LED_V_D_CELL3 LED_V_D_CELL4 LED_V_D_CELL5 LED_V_D_CELL6 LED_V_D_CELL7 LED_V_D_CELL8 LED_V_D_CELL9 LED_V_D_CELL10 LED_V_D_CELL11 LED_V_D_CELL12 LED_V_D_CELL13 LED_V_D_CELL14 LED_V_D_CELL15 LED_V_D_CELL16 LED_V_ON: library part LED-0603, "LED-0603"
NTC_Gate_CELL1 NTC_Gate_CELL2 NTC_Gate_CELL3 NTC_Gate_CELL4 NTC_Gate_CELL5 NTC_Gate_CELL6 NTC_Gate_CELL7 NTC_Gate_CELL8 NTC_Gate_CELL9 NTC_Gate_CELL10 NTC_Gate_CELL11 NTC_Gate_CELL12 NTC_Gate_CELL13 NTC_Gate_CELL14 NTC_Gate_CELL15 NTC_Gate_CELL16: library part NTC-0603, "NTC-0603"
Q_Power: library part PHPT610030NK, "PHPT610030NK"
Q_V_Mosfet_CELL1 Q_V_Mosfet_CELL2 Q_V_Mosfet_CELL3 Q_V_Mosfet_CELL4 Q_V_Mosfet_CELL5 Q_V_Mosfet_CELL6 Q_V_Mosfet_CELL7 Q_V_Mosfet_CELL8 Q_V_Mosfet_CELL9 Q_V_Mosfet_CELL10 Q_V_Mosfet_CELL11 Q_V_Mosfet_CELL12 Q_V_Mosfet_CELL13 Q_V_Mosfet_CELL14 Q_V_Mosfet_CELL15 Q_V_Mosfet_CELL16: library part DMP10H400SK3-13, "DMP10H400SK3-13", Package=TO252, DeviceSetName=DMP10H400SK3-13, GateName_1=G$1, LibraryName=IFE_Transistors, SymbolName_1=LABELED-PMOS
R_D_CELL1 R_D_CELL2 R_D_CELL3 R_D_CELL4 R_D_CELL5 R_D_CELL6 R_D_CELL7 R_D_CELL8 R_D_CELL9 R_D_CELL10 R_D_CELL11 R_D_CELL12 R_D_CELL13 R_D_CELL14 R_D_CELL15 R_D_CELL16: library part TKH45, "TKH45"
R_Gate_CELL1 R_Gate_CELL2 R_Gate_CELL3 R_Gate_CELL4 R_Gate_CELL5 R_Gate_CELL6 R_Gate_CELL7 R_Gate_CELL8 R_Gate_CELL9 R_Gate_CELL10 R_Gate_CELL11 R_Gate_CELL12 R_Gate_CELL13 R_Gate_CELL14 R_Gate_CELL15 R_Gate_CELL16 R_Input_CELL1 R_Input_CELL2 R_Input_CELL3 R_Input_CELL4 R_Input_CELL5 R_Input_CELL6 R_Input_CELL7 R_Input_CELL8 R_Input_CELL9 R_Input_CELL10 R_Input_CELL11 R_Input_CELL12 R_Input_CELL13 R_Input_CELL14 R_Input_CELL15 R_Input_CELL16 R_T0 R_T_BIAS R_T_CELL1 R_T_CELL2 R_T_CELL3 R_T_CELL4 R_T_CELL5 R_T_CELL6 R_T_CELL7 R_T_CELL8 R_T_CELL9 R_T_CELL10 R_T_CELL11 R_T_CELL12 R_T_CELL13 R_T_CELL14 R_T_CELL15 R_T_CELL16 R_T_COMP R_T_IMA R_T_IMB R_T_IPA R_T_IPB R_T_ON R_V0 R_V_BIAS R_V_COMP R_V_D_LED_CELL1 R_V_D_LED_CELL2 R_V_D_LED_CELL3 R_V_D_LED_CELL4 R_V_D_LED_CELL5 R_V_D_LED_CELL6 R_V_D_LED_CELL7 R_V_D_LED_CELL8 R_V_D_LED_CELL9 R_V_D_LED_CELL10 R_V_D_LED_CELL11 R_V_D_LED_CELL12 R_V_D_LED_CELL13 R_V_D_LED_CELL14 R_V_D_LED_CELL15 R_V_D_LED_CELL16 R_V_IMA R_V_IMB R_V_IPA R_V_IPB R_V_ON: library part RES-0603
R_Power_1 R_Power_?: library part RES-2512
Temperature Voltage: Package=LQFP64_LWE_A, DeviceSetName=LTC6813HLWE-1, GateName_1=A, LibraryName=LTC6813_Official, SymbolName_1=LTC6813XLWE-1
TP_CSB TP_SCK TP_SDI TP_SDO: library part Testpoint
X_T_B X_V_A: library part HEADER_POS2_?43650-0224, Package=43650-0224, DeviceName=43650-0224, DeviceSetName=HEADER_POS2_?, GateName_1=G$1, LibraryName="MOLEX Micro-Fit", SymbolName_1=HEADER_POS2

## Via types
v1: diameter 0.45, hole 0.2, Top Copper to Bottom Copper, 268 vias
v2: diameter 2, hole 1.5, Top Copper to Bottom Copper, 2 vias

## Nets (pads, with @x,y where several pads share a name; then routed paths per layer and width w, separated by ;. In a path a pad name is that pad's centre, name@x,y a point inside that pad or via, vN(x,y) a via of type N, cw(c..) or ccw(c..) an arc to the next point about the centre after c; other vN are vias at no path point)
F_CELL1: C_V_CELL1.2 F_V_CELL1.1 NTC_Gate_CELL1.2 Q_V_Mosfet_CELL1.3 R_D_CELL1.3 R_Input_CELL1.1 | length 21.9
  Top Copper w0.102: R_Input_CELL1.1@29.1,39.25 29.1,39.275 29.424,39.599 29.449,39.599 30.107,40.257 30.107,40.457 C_V_CELL1.2@30.4,40.75 30.4,40.725 30.724,40.401 30.749,40.401 31.043,40.107 32.248,40.107 32.347,40.206 32.347,41.247 32.5,41.4 33.174,41.4 33.949,42.175 33.949,47.906 34.277,48.233 34.533,48.233 v1(34.6,48.3) ; F_V_CELL1.1@30.4,54.545 30.977,54.545 31.906,55.474 31.906,55.606 35.407,59.107 35.551,59.107 36.1,59.656 Q_V_Mosfet_CELL1.3@36.1,59.8
  other v1: 31.4,54.6